# Altium PCB SAM_E54_Xplained_Pro.PcbDoc (part 1 of 5) (continued)
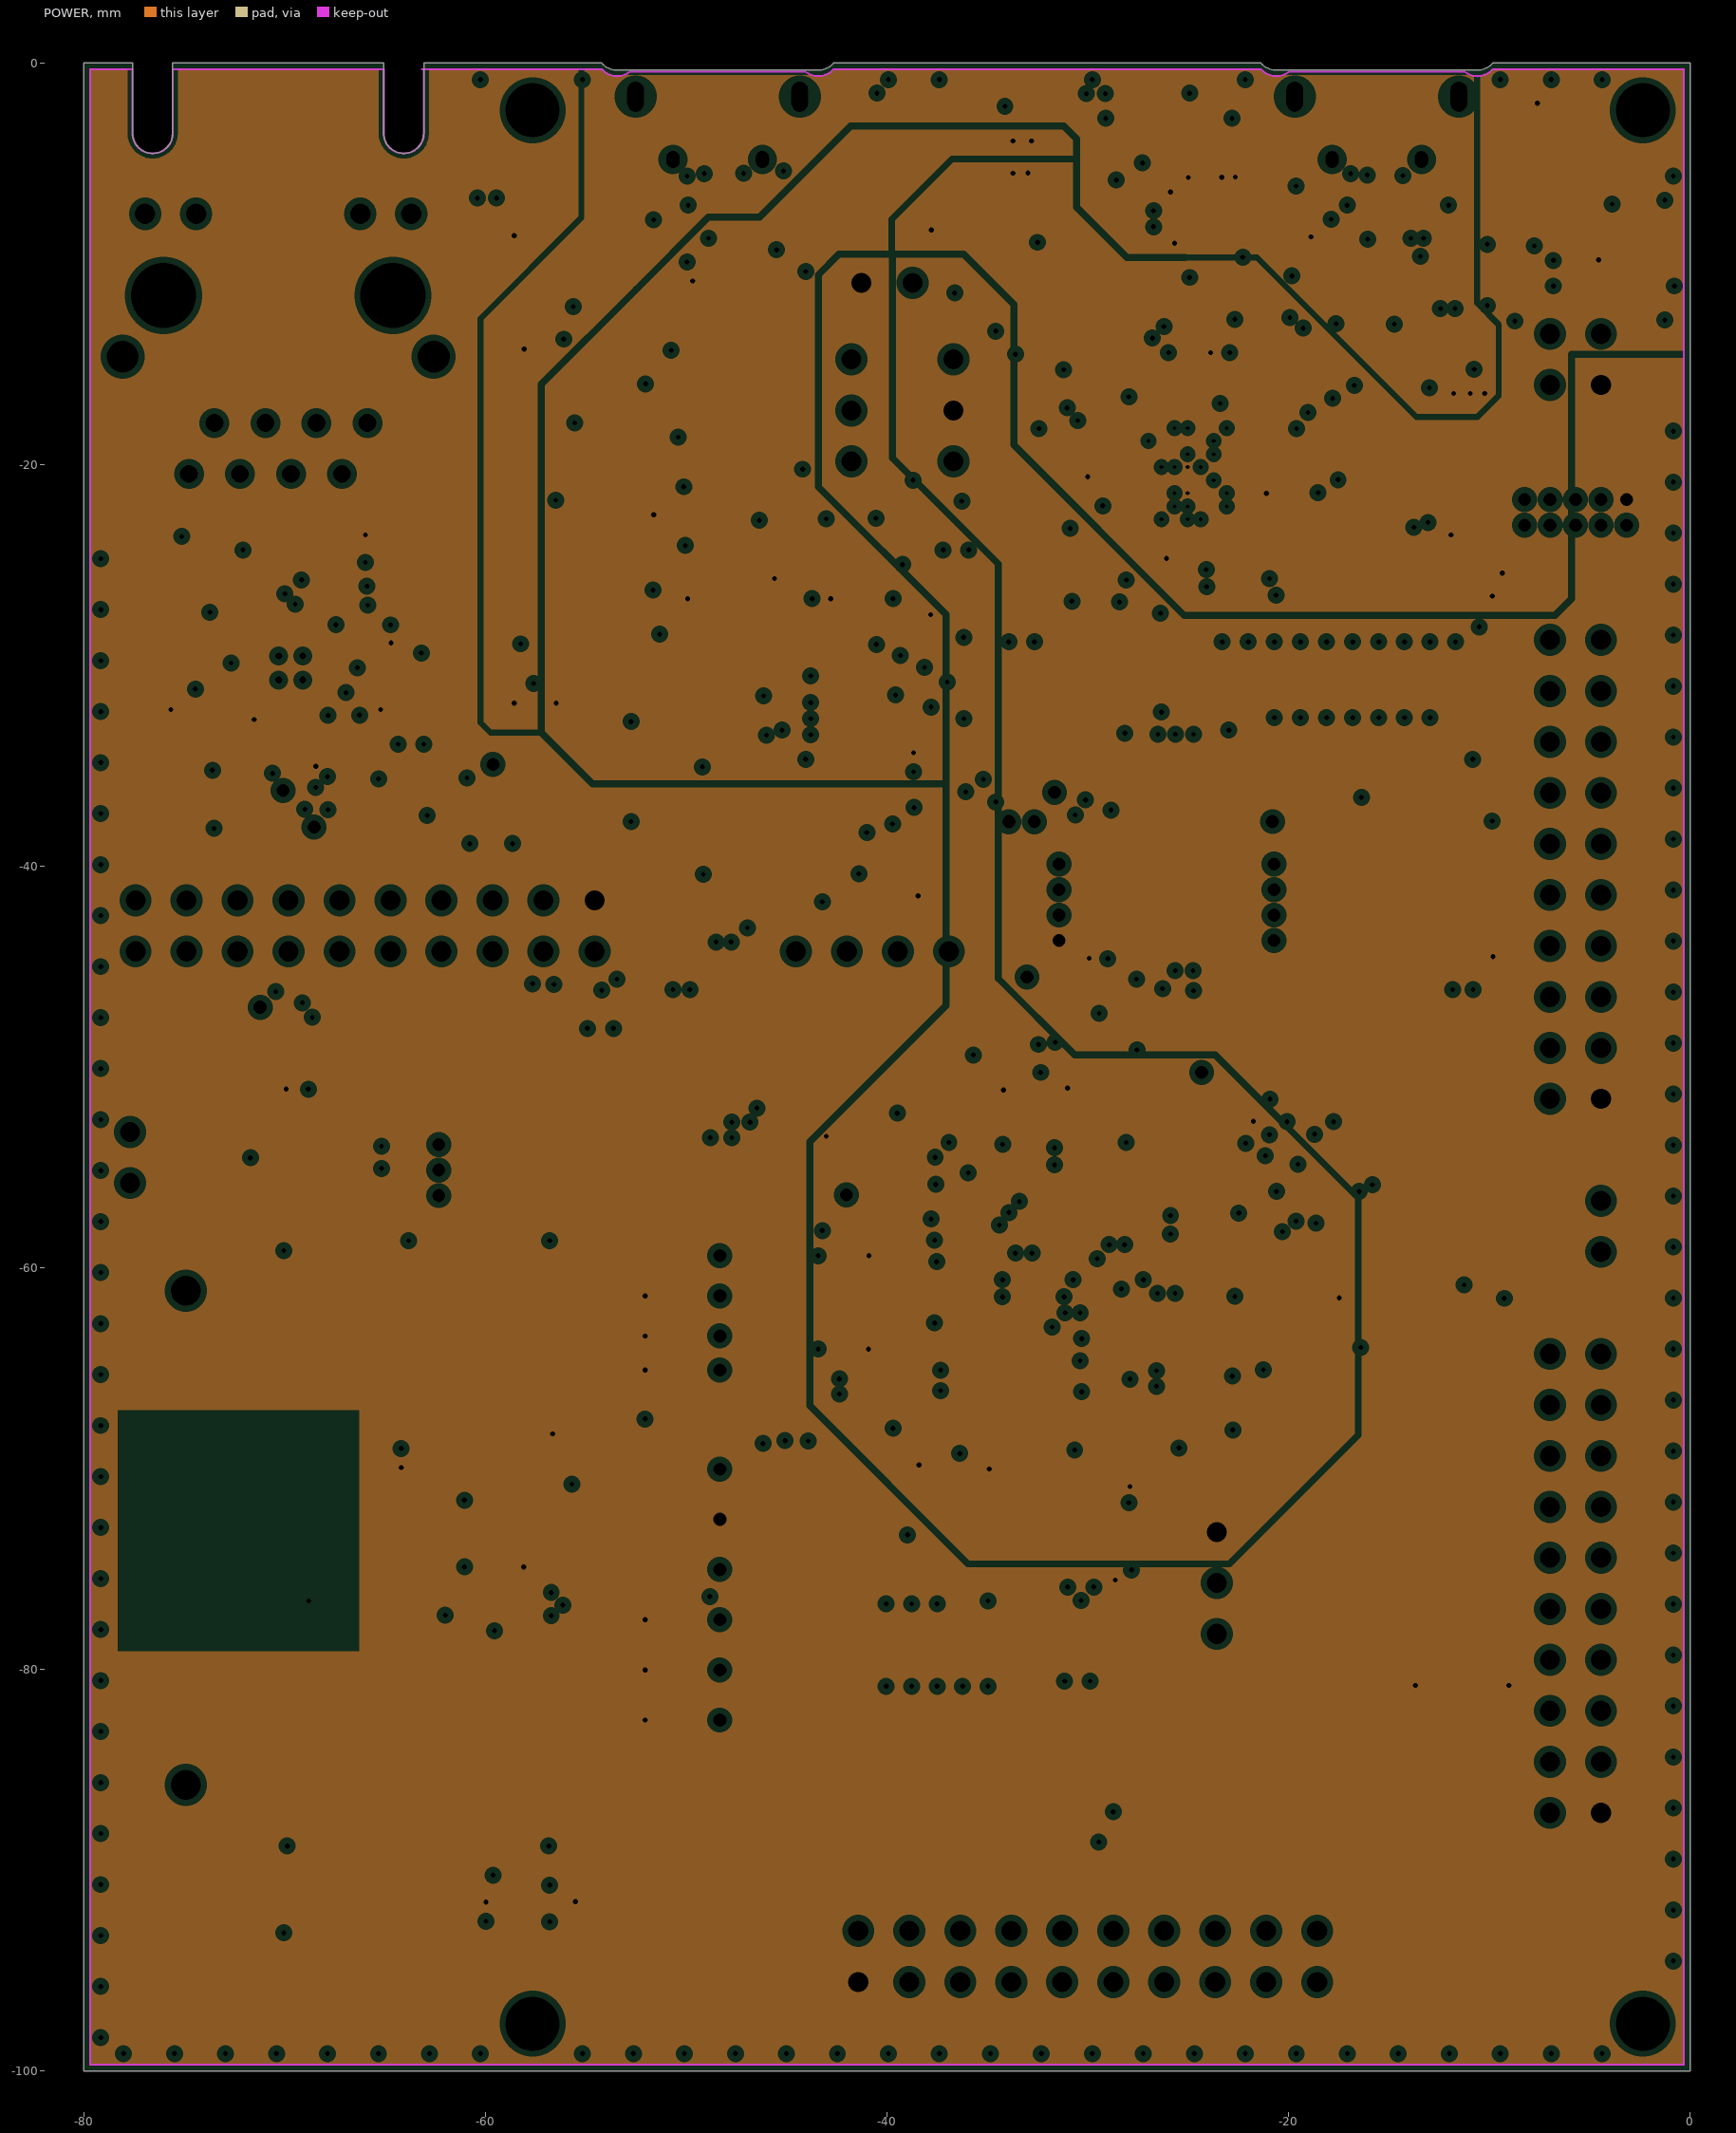
[diagram p3: POWER, clearances drawn from the general rule]
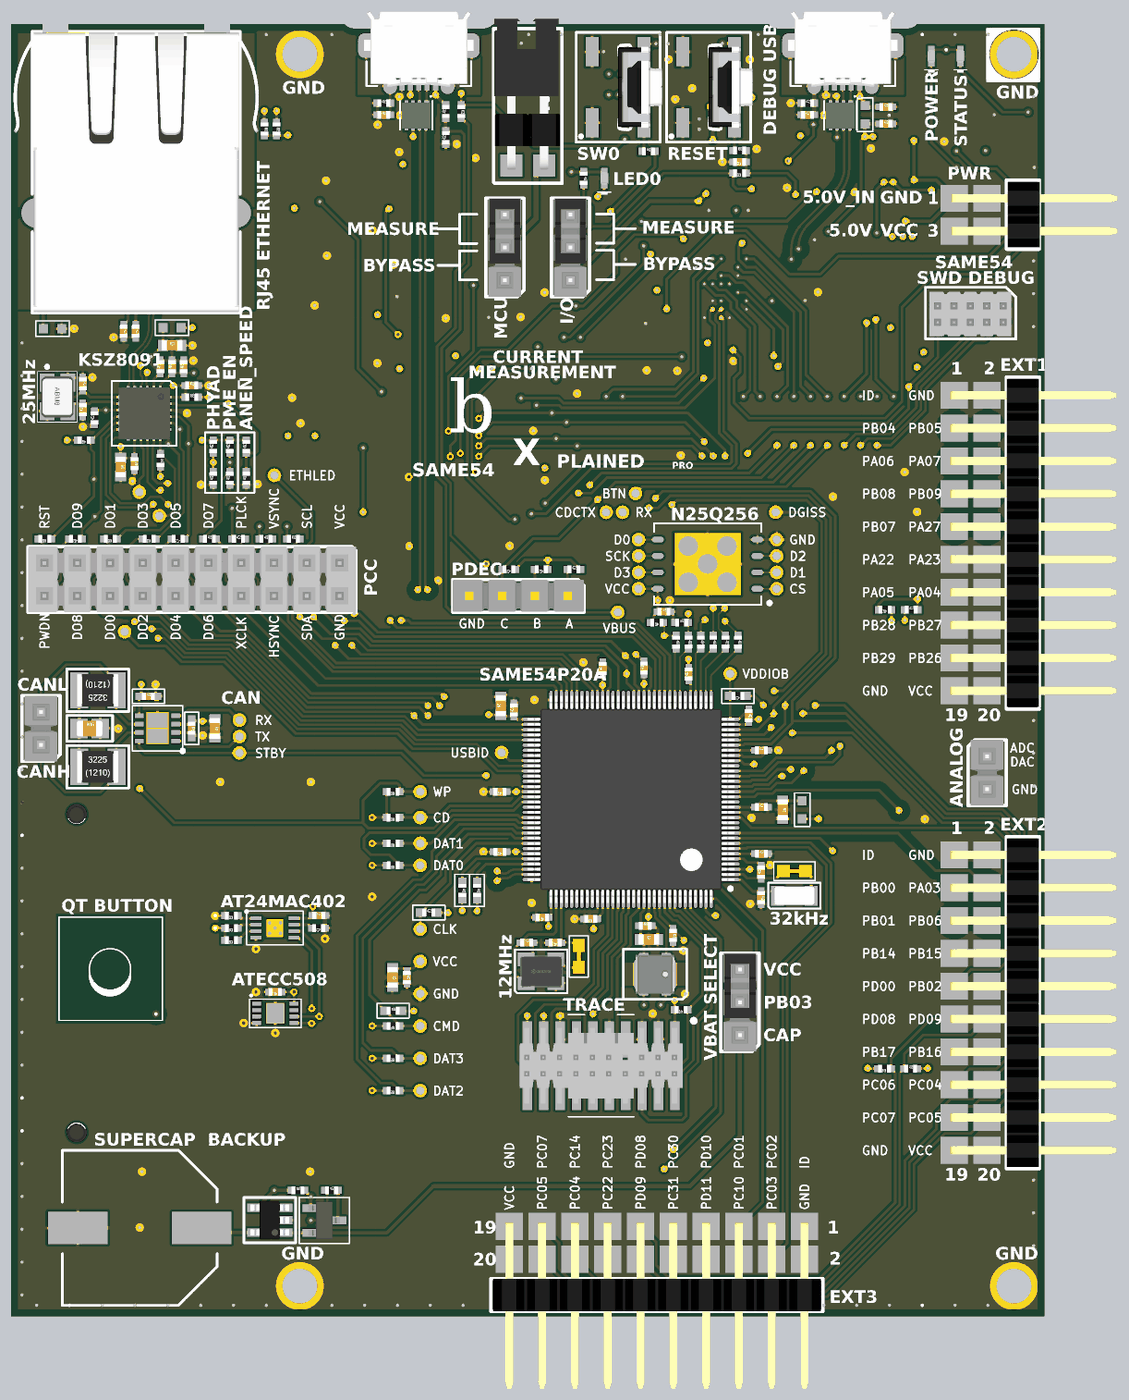
[diagram p8: 3D render of the assembled board from above, using the file's embedded part models]
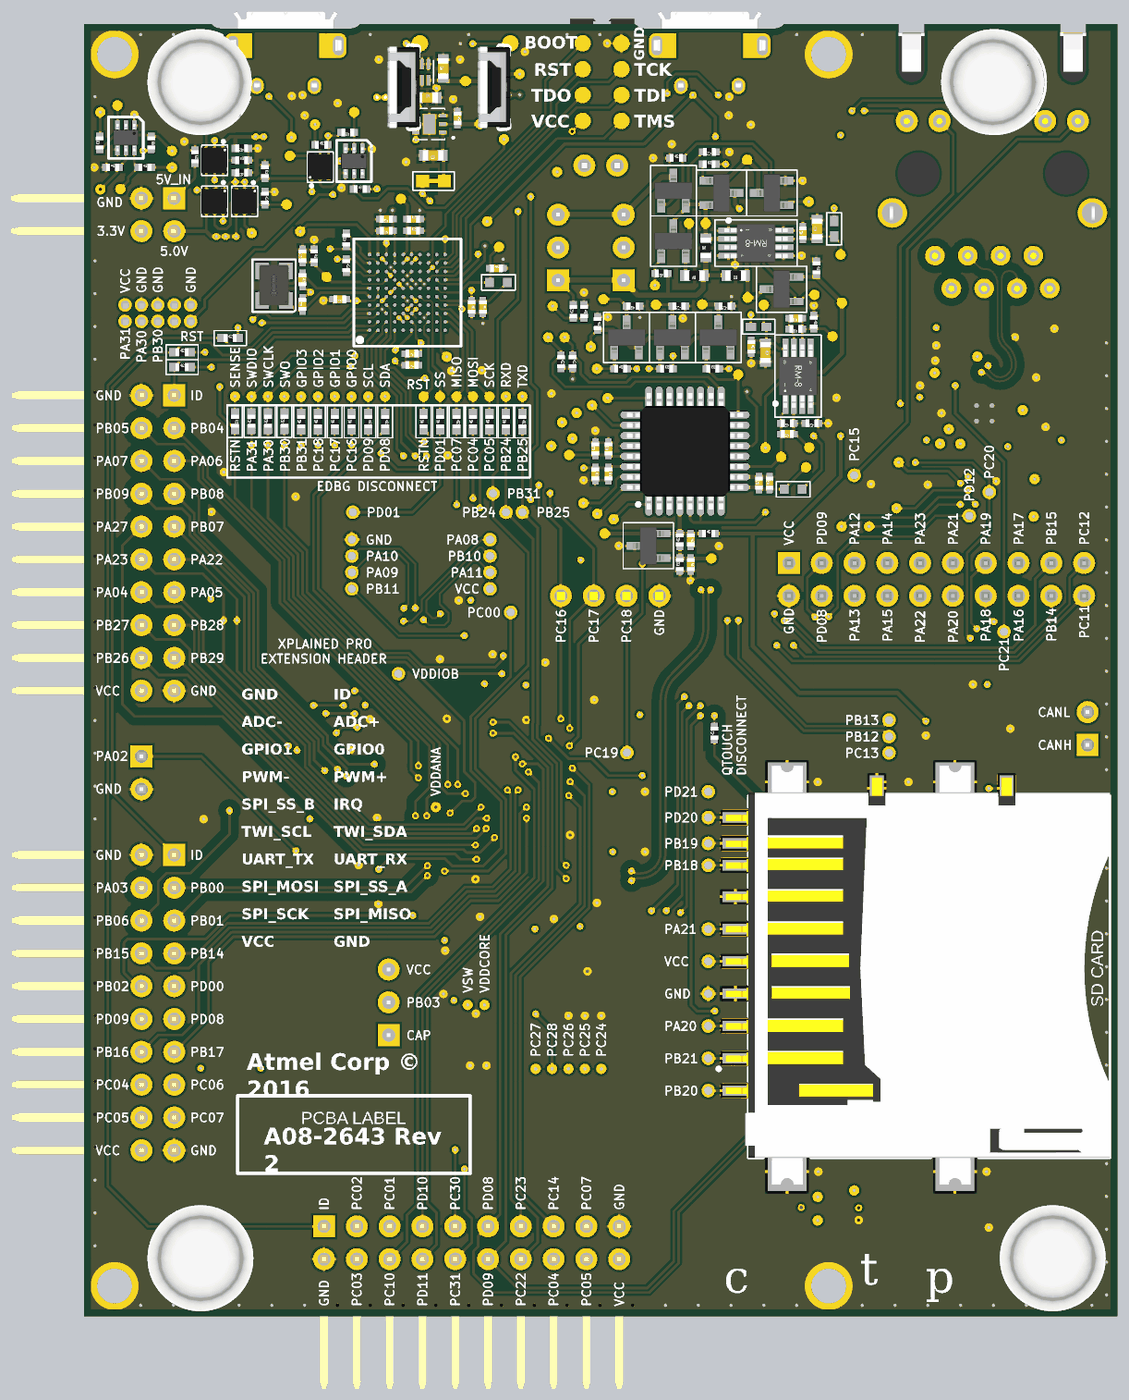
[diagram p9: 3D render of the assembled board from below, using the file's embedded part models]

## Layer stack, top to bottom
Top Solder: solder mask 0.0102, Solder Resist, Dk 3.5
Top Layer LF-signals: signal copper 0.035
Dielectric1: prepreg 0.114, FR-4, Dk 4.8
GND: plane copper 0.035, net (Multiple Nets)
Dielectric2: core 1.23, FR-4, Dk 4.8
POWER: plane copper 0.035, net (Multiple Nets)
Dielectric3: prepreg 0.114, FR-4, Dk 4.8
Bottom Layer LF-signals: signal copper 0.035
Bottom Solder: solder mask 0.0102, Solder Resist, Dk 3.5

## Board outline
-77.579,-3.5 -77.579,0 -80,0 -80,-100 0,-100 0,0 -9.825,0 -9.825,-0.001 cw(c-10.6,0.686) -10.6,-0.35 -20.6,-0.35 cw(c-20.6,0.686) -21.375,-0.001 -21.375,0 -42.659,0 -42.659,-0.001 cw(c-43.434,0.686) -43.434,-0.35 -53.434,-0.35 cw(c-53.434,0.686) -54.209,-0.001 -54.209,0 -63.071,0 -63.071,-3.5 cw(c-64.071,-3.5) -65.071,-3.5 -65.071,-3.475 -65.071,0 -75.579,0 -75.579,-3.5 cw(c-76.579,-3.5)

## Design rules (kind name [scope] priority, off if disabled: settings)
AcuteAngle [All] p1: minimum=7.00000000000000E+0001 checktracksonly=FALSE
AssemblyTestPointUsage "Schematic Assembly Testpoint Usage_26" [InNetClass('QSPI_MCU')] p1: valid=1
AssemblyTestPointUsage "Schematic Assembly Testpoint Usage_14" [InNet('MAC24_WP')] p2: valid=1
AssemblyTestPointUsage "Schematic Assembly Testpoint Usage_13" [InNet('MAC24_A2')] p3: valid=1
AssemblyTestPointUsage "Schematic Assembly Testpoint Usage_12" [InNet('MAC24_A1')] p4: valid=1
AssemblyTestPointUsage "Schematic Assembly Testpoint Usage_11" [InNet('MAC24_A0')] p5: valid=1
AssemblyTestPointUsage "Schematic Assembly Testpoint Usage_25" [InNet('NetCS300_1')] p6: valid=1
AssemblyTestPointUsage "Schematic Assembly Testpoint Usage_24" [InNet('TARGET_USB_N')] p7: valid=1
AssemblyTestPointUsage "Schematic Assembly Testpoint Usage_23" [InNet('TARGET_USB_P')] p8: valid=1
AssemblyTestPointUsage "Schematic Assembly Testpoint Usage_8" [InNet('XOUT0')] p9: valid=1
AssemblyTestPointUsage "Schematic Assembly Testpoint Usage_7" [InNet('XIN0')] p10: valid=1
AssemblyTestPointUsage "Schematic Assembly Testpoint Usage_6" [InNet('USB_HS_P')] p11: valid=1
AssemblyTestPointUsage "Schematic Assembly Testpoint Usage_5" [InNet('USB_HS_N')] p12: valid=1
AssemblyTestPointUsage "Schematic Assembly Testpoint Usage_4" [InNet('EDBG_USB_HS_P')] p13: valid=1
AssemblyTestPointUsage "Schematic Assembly Testpoint Usage_3" [InNet('EDBG_USB_HS_N')] p14: valid=1
AssemblyTestPointUsage "Schematic Assembly Testpoint Usage_2" [InNet('EDBG_USB_FS_P')] p15: valid=1
AssemblyTestPointUsage "Schematic Assembly Testpoint Usage_1" [InNet('EDBG_USB_FS_N')] p16: valid=1
AssemblyTestPointUsage "Schematic Assembly Testpoint Usage_22" [InNet('PA00_XIN32')] p17: valid=1
AssemblyTestPointUsage "Schematic Assembly Testpoint Usage_21" [InNet('PB22_XIN1')] p18: valid=1
AssemblyTestPointUsage "Schematic Assembly Testpoint Usage_20" [InNet('PA01_XOUT32')] p19: valid=1
AssemblyTestPointUsage "Schematic Assembly Testpoint Usage_19" [InNet('TUSB_N')] p20: valid=1
AssemblyTestPointUsage "Schematic Assembly Testpoint Usage_18" [InNet('TUSB_P')] p21: valid=1
AssemblyTestPointUsage "Schematic Assembly Testpoint Usage_17" [InNet('PB23_XOUT1')] p22: valid=1
AssemblyTestPointUsage "Schematic Assembly Testpoint Usage_16" [InNet('NetJ301_1')] p23: valid=1
AssemblyTestPointUsage "Schematic Assembly Testpoint Usage_15" [InNet('NetJ300_1')] p24: valid=1
AssemblyTestPointUsage "Schematic Assembly Testpoint Usage_10" [InNet('NetC609_2')] p25: valid=1
AssemblyTestPointUsage "Schematic Assembly Testpoint Usage_9" [InNet('NetC602_2')] p26: valid=1
AssemblyTestPointUsage "Schematic Assembly Testpoint Usage" [InNet('NetC500_1')] p27: valid=1
AssemblyTestPointUsage [All] p28:
AssemblyTestpoint AssemblyTestpoint_TP [HasFootprint('AP9-00044') or HasFootprint('AP8-00010') or InNet('NetQ900_2') or InNet('NetQ1200_2') or InNet('VCC_FILTER_P3V3') or InNet('NetQ100_2') or InNet('CM_PA18_CMP0') or InNet('NetR304_1') or InNet('NetQ300_1') or InNet('PC13_CAN_STBY')   or InNet('PHY_LED0') or InNet('NetJ600_11')] p1: testpointundercomponent=TRUE minsize=0.8 maxsize=10 preferedsize=0.8 minholesize=0 maxholesize=2 preferedholesize=0.25 testpointgrid=0.025 usegrid=FALSE gridtolerance=0 allowsidebottom=TRUE minspacing=1.27
AssemblyTestpoint [All] p2: testpointundercomponent=TRUE minsize=0.8 maxsize=10 preferedsize=0.8 minholesize=0 maxholesize=2 preferedholesize=0.25 testpointgrid=0.025 usegrid=FALSE gridtolerance=0 allowsidebottom=TRUE minspacing=1.27 compbodyclearance=1.27
Clearance Clearance_QTouch [IsRegion or InPoly vs InNetClass('QTouch')] p1: gap=0.6 ignorepadtopadclearanceinfootprint=FALSE except(0: Arc-Hole Track-Hole SMDPad-Hole THPad-Hole Via-Hole Fill-Hole Poly-Hole Region-Hole Text-Hole)
Clearance Clearance_Poly_Impedance [IsRegion vs InDifferentialPairClass('All Differential Pairs')] p2: gap=0.6 ignorepadtopadclearanceinfootprint=FALSE except(0: Arc-Hole Track-Hole SMDPad-Hole THPad-Hole Via-Hole Fill-Hole Poly-Hole Region-Hole Text-Hole)
Clearance Clearance_Poly [InPoly] p3: gap=0.175 ignorepadtopadclearanceinfootprint=FALSE except(0: Arc-Hole Track-Hole SMDPad-Hole THPad-Hole Via-Hole Fill-Hole Poly-Hole Region-Hole Text-Hole)
Clearance Clearance_EDBG [TouchesRoom('EDBG_Room')] p4: gap=0.119 ignorepadtopadclearanceinfootprint=FALSE except(0: Arc-Hole Track-Hole SMDPad-Hole THPad-Hole Via-Hole Fill-Hole Poly-Hole Region-Hole Text-Hole)
Clearance [All] p5: gap=0.15 ignorepadtopadclearanceinfootprint=FALSE except(0: Arc-Hole Track-Hole SMDPad-Hole THPad-Hole Via-Hole Fill-Hole Poly-Hole Region-Hole Text-Hole)
ComponentClearance [All] p1: gap=0.1 collisioncheckmode=3 verticalgap=0.1 showdistances=FALSE
DiffPairsRouting DiffPairsRouting_Ethernet [InDifferentialPair('RX') or InDifferentialPair('TX')] p1: maxlimit=0.18 minlimit=0.18 mostfreqgap=0.18 toplayer_minwidth=0.14 toplayer_maxwidth=0.14 toplayer_prefwidth=0.14 bottomlayer_minwidth=0.14 bottomlayer_maxwidth=0.14 bottomlayer_prefwidth=0.14 maxuncoupledlength=20
DiffPairsRouting DiffPairsRouting_USB_HS [InDifferentialPair('EDBG_USB_HS') or InDifferentialPair('USB_HS') or InDifferentialPair('TARGET_USB') or InDifferentialPair('TUSB')] p2: maxlimit=0.22 minlimit=0.2 mostfreqgap=0.2 toplayer_minwidth=0.18 toplayer_maxwidth=0.18 toplayer_prefwidth=0.18 bottomlayer_minwidth=0.18 bottomlayer_maxwidth=0.18 bottomlayer_prefwidth=0.18 maxuncoupledlength=20
DiffPairsRouting DiffPairsRouting_USB_FS [InDifferentialPair('EDBG_USB_FS')] p3: maxlimit=1.5 minlimit=0.2 mostfreqgap=0.2 toplayer_minwidth=0.12 toplayer_maxwidth=0.18 toplayer_prefwidth=0.18 bottomlayer_minwidth=0.12 bottomlayer_maxwidth=0.18 bottomlayer_prefwidth=0.18 maxuncoupledlength=20
FabricationTestPointUsage "Schematic Fabrication Testpoint Usage_17" [InNetClass('QSPI_MCU')] p1: valid=1 allowmultiple=FALSE
FabricationTestPointUsage "Schematic Fabrication Testpoint Usage_5" [InNet('MAC24_WP')] p2: valid=1 allowmultiple=FALSE
FabricationTestPointUsage "Schematic Fabrication Testpoint Usage_4" [InNet('MAC24_A2')] p3: valid=1 allowmultiple=FALSE
FabricationTestPointUsage "Schematic Fabrication Testpoint Usage_3" [InNet('MAC24_A1')] p4: valid=1 allowmultiple=FALSE
FabricationTestPointUsage "Schematic Fabrication Testpoint Usage_2" [InNet('MAC24_A0')] p5: valid=1 allowmultiple=FALSE
FabricationTestPointUsage "Schematic Fabrication Testpoint Usage_16" [InNet('TARGET_USB_N')] p6: valid=1 allowmultiple=FALSE
FabricationTestPointUsage "Schematic Fabrication Testpoint Usage_15" [InNet('TARGET_USB_P')] p7: valid=1 allowmultiple=FALSE
FabricationTestPointUsage "Schematic Fabrication Testpoint Usage_14" [InNet('PA00_XIN32')] p8: valid=1 allowmultiple=FALSE
FabricationTestPointUsage "Schematic Fabrication Testpoint Usage_13" [InNet('PB22_XIN1')] p9: valid=1 allowmultiple=FALSE
FabricationTestPointUsage "Schematic Fabrication Testpoint Usage_12" [InNet('PA01_XOUT32')] p10: valid=1 allowmultiple=FALSE
FabricationTestPointUsage "Schematic Fabrication Testpoint Usage_11" [InNet('TUSB_N')] p11: valid=1 allowmultiple=FALSE
FabricationTestPointUsage "Schematic Fabrication Testpoint Usage_10" [InNet('TUSB_P')] p12: valid=1 allowmultiple=FALSE
FabricationTestPointUsage "Schematic Fabrication Testpoint Usage_9" [InNet('PB23_XOUT1')] p13: valid=1 allowmultiple=FALSE
FabricationTestPointUsage "Schematic Fabrication Testpoint Usage_8" [InNet('NetC500_1')] p14: valid=1 allowmultiple=FALSE
FabricationTestPointUsage "Schematic Fabrication Testpoint Usage_7" [InNet('NetJ301_1')] p15: valid=1 allowmultiple=FALSE
FabricationTestPointUsage "Schematic Fabrication Testpoint Usage_6" [InNet('NetJ300_1')] p16: valid=1 allowmultiple=FALSE
FabricationTestPointUsage "Schematic Fabrication Testpoint Usage_1" [InNet('NetC609_2')] p17: valid=1 allowmultiple=FALSE
FabricationTestPointUsage "Schematic Fabrication Testpoint Usage" [InNet('NetC602_2')] p18: valid=1 allowmultiple=FALSE
FabricationTestPointUsage TestPointUsage [All] p19: valid=0 allowmultiple=FALSE
FabricationTestpoint Testpoint [All] p1: side=3 testpointundercomponent=TRUE minsize=0.55 maxsize=10 preferedsize=0.8 minholesize=0 maxholesize=2 preferedholesize=0.25 testpointgrid=0 allowsidetop=TRUE allowsidebottom=TRUE usegrid=FALSE gridtolerance=0 minspacing=1
HoleSize HoleSize_EDBG [TouchesRoom('EDBG_Room')] p1: absolutevalues=TRUE maxlimit=2.54 minlimit=0.2 maxpercent=80.000 minpercent=20.000
HoleSize [All] p2: absolutevalues=TRUE maxlimit=10 minlimit=0.25 maxpercent=80.000 minpercent=20.000
HoleToHoleClearance [All] p1: gap=0.3 allowstackedmicrovias=TRUE
MinimumAnnularRing MinimumAnnularRing_EDBG [TouchesRoom('EDBG_Room')] p1: minimumring=0.1
MinimumAnnularRing [All] p2: minimumring=0.15
MinimumSolderMaskSliver [All] p1: minsoldermaskwidth=0.075
NetAntennae [Not Testpoint] p1: netantennaetolerance=4
PlaneClearance [All] p1: clearance=0.3
PlaneConnect PlaneConnect_50mil [HasFootprint('AP8-00257')] p1: planeconnectstyle=Relief reliefexpansion=0.2 reliefentries=4 reliefconductorwidth=0.2 reliefairgap=0.2
PlaneConnect PlaneConnect_VIA [IsVia OR HasPad('Free-666')] p2: planeconnectstyle=Direct reliefexpansion=0.508 reliefentries=4 reliefconductorwidth=0.254 reliefairgap=0.254
PlaneConnect [All] p3: planeconnectstyle=Relief reliefexpansion=0.508 reliefentries=4 reliefconductorwidth=0.254 reliefairgap=0.254
PolygonConnect PolygonConnect_VIA [IsVia OR HasPad('Free-666')] p1: connectstyle=Direct reliefconductorwidth=0.254 reliefentries=4 polygonreliefangle="90 Angle" airgapwidth=0.254
PolygonConnect [All] p2: connectstyle=Relief reliefconductorwidth=0.2 reliefentries=4 polygonreliefangle="90 Angle" airgapwidth=0.2
RoomDefinition EDBG_Room [not IsComponent] p1: confinementstyle=ConfineIn formatcopy=TRUE lockcomponents=TRUE outline -28.575,-24.325 -21.475,-24.325 -21.475,-17.225 -28.575,-17.225
RoutingVias RoutingVias_EDBG [TouchesRoom('EDBG_Room')] p1: holewidth=0.25 width=0.55 viastyle="Through Hole" minholewidth=0.2 minwidth=0.4 maxholewidth=0.5 maxwidth=1
RoutingVias [All] p2: holewidth=0.25 width=0.55 viastyle="Through Hole" minholewidth=0.25 minwidth=0.55 maxholewidth=0.5 maxwidth=1
SMDNeckDown [All] p1: percent=90.000
SilkToSilkClearance SilkToSilkClearance_Text [IsText vs IsText] p1: silktosilkclearance=0
SilkToSilkClearance [All] p2: silktosilkclearance=0.1
SilkToSolderMaskClearance SilkscreenOverComponentPads [IsPad] p1: minsilkscreentomaskgap=0.1 clearancetoexposedcopper=TRUE
SolderMaskExpansion SolderMaskTenting [IsVia AND NOT (IsFabTestpoint OR IsAssyTestpoint)] p1: expansion=-1
SolderMaskExpansion [All] p2: expansion=0.05
ViasUnderSMD [All] p1: allowed=FALSE
Width EDBG_Width [TouchesRoom('EDBG_Room')] p1: maxlimit=1 minlimit=0.125 preferedwidth=0.15
Width ETHERNET_Width [InNetClass('ETHERNET')] p2: maxlimit=0.18 minlimit=0.18 preferedwidth=0.18
Width QSPI_Width [(InNetClass('QSPI') OR InNetClass('QSPI_MCU'))] p3: maxlimit=0.14 minlimit=0.14 preferedwidth=0.14
Width TRACE_Width [InNetClass('TRACE')] p4: maxlimit=0.2 minlimit=0.2 preferedwidth=0.2
Width [All] p5: maxlimit=1 minlimit=0.15 preferedwidth=0.15
16 further rules are at their usual default settings.

## Classes and differential pairs
net class QSPI: QCS QIO0 QIO1 QIO2 QIO3 QSCK
net class ETHERNET: PA12_ETH_GRX1 PA13_ETH_GRX0 PA14_ETH_GTXCK PA15_ETH_GRXER PA17_ETH_GTXEN PA18_ETH_GTX0 PA19_ETH_GTX1 PC11_ETH_GMDC PC12_ETH_GMDIO PC20_ETH_GRXDV PHY_MDC PHY_MDIO PHY_REFCLK PHY_RXD0 PHY_RXD1 PHY_RXER PHY_TXD0 PHY_TXD1 PHY_TXEN
component class SAM_E54_Xplained_Pro_TopLevel: E1 E2 E3 E4 FIXTURE1 FW1 LABEL1 PCB1 PCBADOC1 TEST1 TESTDOC1
component class Power_supply: C100 C101 C102 C103 C104 C105 J100 J101 J102 J103 JS100 JS101 JS102 Q100 Q101 Q102 Q103 Q104 R100 R101 R102 R103 R104 R105 R106 R107 R108 R109 R110 R111 R112 U100 U101
component class EDBG: C800 C801 C802 C803 C804 C805 C806 C807 C808 C809 C810 C811 C812 C813 C814 C815 D800 D801 D802 J800 L800 L801 Q800 R800 R801 R802 R803 R804 R805 R806 R807 R808 R809 R810 R811 R812 R813 R814 R815 R816 R817 R818 R819 R820 R821 R822 R823 R824 R825 R826 R827 TP800 TP801 TP802 TP803 TP804 TP805 TP806 TP807 U800 XC800
component class Connectors: J400 J401 J402 J403 J404 J405 J406 J407 J408
component class Target_MCU: C200 C201 C202 C203 C204 C205 C206 C207 C208 C209 C210 C211 C212 C213 C214 C215 C216 C217 L200 L201 R200 R201 R202 R203 R204 R205 R206 R207 R208 R209 R220 R221 R222 R223 R224 R311 SW200 TP200 U200
component class Calibration: Q1000 Q1001 Q1002 R1000 R1001 R1002 R1003 R1004 R1005 R1006
component class Control: C1100 C1101 C1102 C1103 C1104 C1105 C1106 C1107 L1100 R1102 R1103 R1104 R1105 R1106 U1100 U1101
component class Frontend: C1200 C1201 C1202 C1203 C1204 C1206 L1200 L1201 Q1200 Q1201 R1200 R1201 R1202 R1203 R1204 R1205 R1207 R1208 R1209 U1200 U1201
component class Current_measurement: Q900 Q901 Q902 R900 R901 R902
component class CAN: C500 C501 C502 C503 J500 R500 R501 U500
component class Ethernet: C600 C601 C602 C603 C604 C605 C606 C607 C608 C609 C613 J600 L600 L602 R600 R601 R602 R603 R604 R605 R609 R613 R615 R616 R618 R619 R621 R622 R623 R624 R625 R626 R628 R629 R630 U600 XC600
component class "MCU Peripherals": C300 C301 C302 C303 C304 C305 CS300 D300 D301 J300 J301 J302 J303 JS300 Q300 R300 R301 R302 R303 R304 R305 R306 R307 R308 SW300 TP300 U300 XC300 XC301
component class Memory: C700 C701 C703 C704 C705 J700 R700 R701 R702 R703 R704 R705 R706 R707 R708 R709 R710 R711 R712 R713 R714 R715 R716 R717 R718 U700 U701 U702
net class TRACE: PC24_TRACE_DATA3 PC25_TRACE_DATA2 PC26_TRACE_DATA1 PC27_TRACE_CLK PC28_TRACE_DATA0
net class QSPI_MCU: PA08_QSPI_DATA0 PA09_QSPI_DATA1 PA10_QSPI_DATA2 PA11_QSPI_DATA3 PB10_QSPI_SCK PB11_QSPI_CS
net class QTouch: NetCS300_1 PA03_ADC0_AIN1 PA06_GPIO_S0P2_RTS PA07_GPIO_S0P3_CTS PA16_PCC_D00_PTCXY10 PA27_GPIO_SPI_SS_B PB00_ADC0_AIN12 PB01_GPIO PB04_ADC1_AIN6 PB05_ADC1_AIN7 PB06_GPIO PB07_GPIO_EXTINT7 PB08_TC4_WO0 PB09_TC4_WO1
differential pair USB_HS: +USB_HS_P -USB_HS_N
differential pair EDBG_USB_HS: +EDBG_USB_HS_P -EDBG_USB_HS_N
differential pair EDBG_USB_FS: +EDBG_USB_FS_P -EDBG_USB_FS_N
differential pair RX: +RX_P -RX_N
differential pair TARGET_USB: +TARGET_USB_P -TARGET_USB_N
differential pair TX: +TX_P -TX_N
differential pair TUSB: +TUSB_P -TUSB_N
